# KiCad board Battman.kicad_pcb (continued)
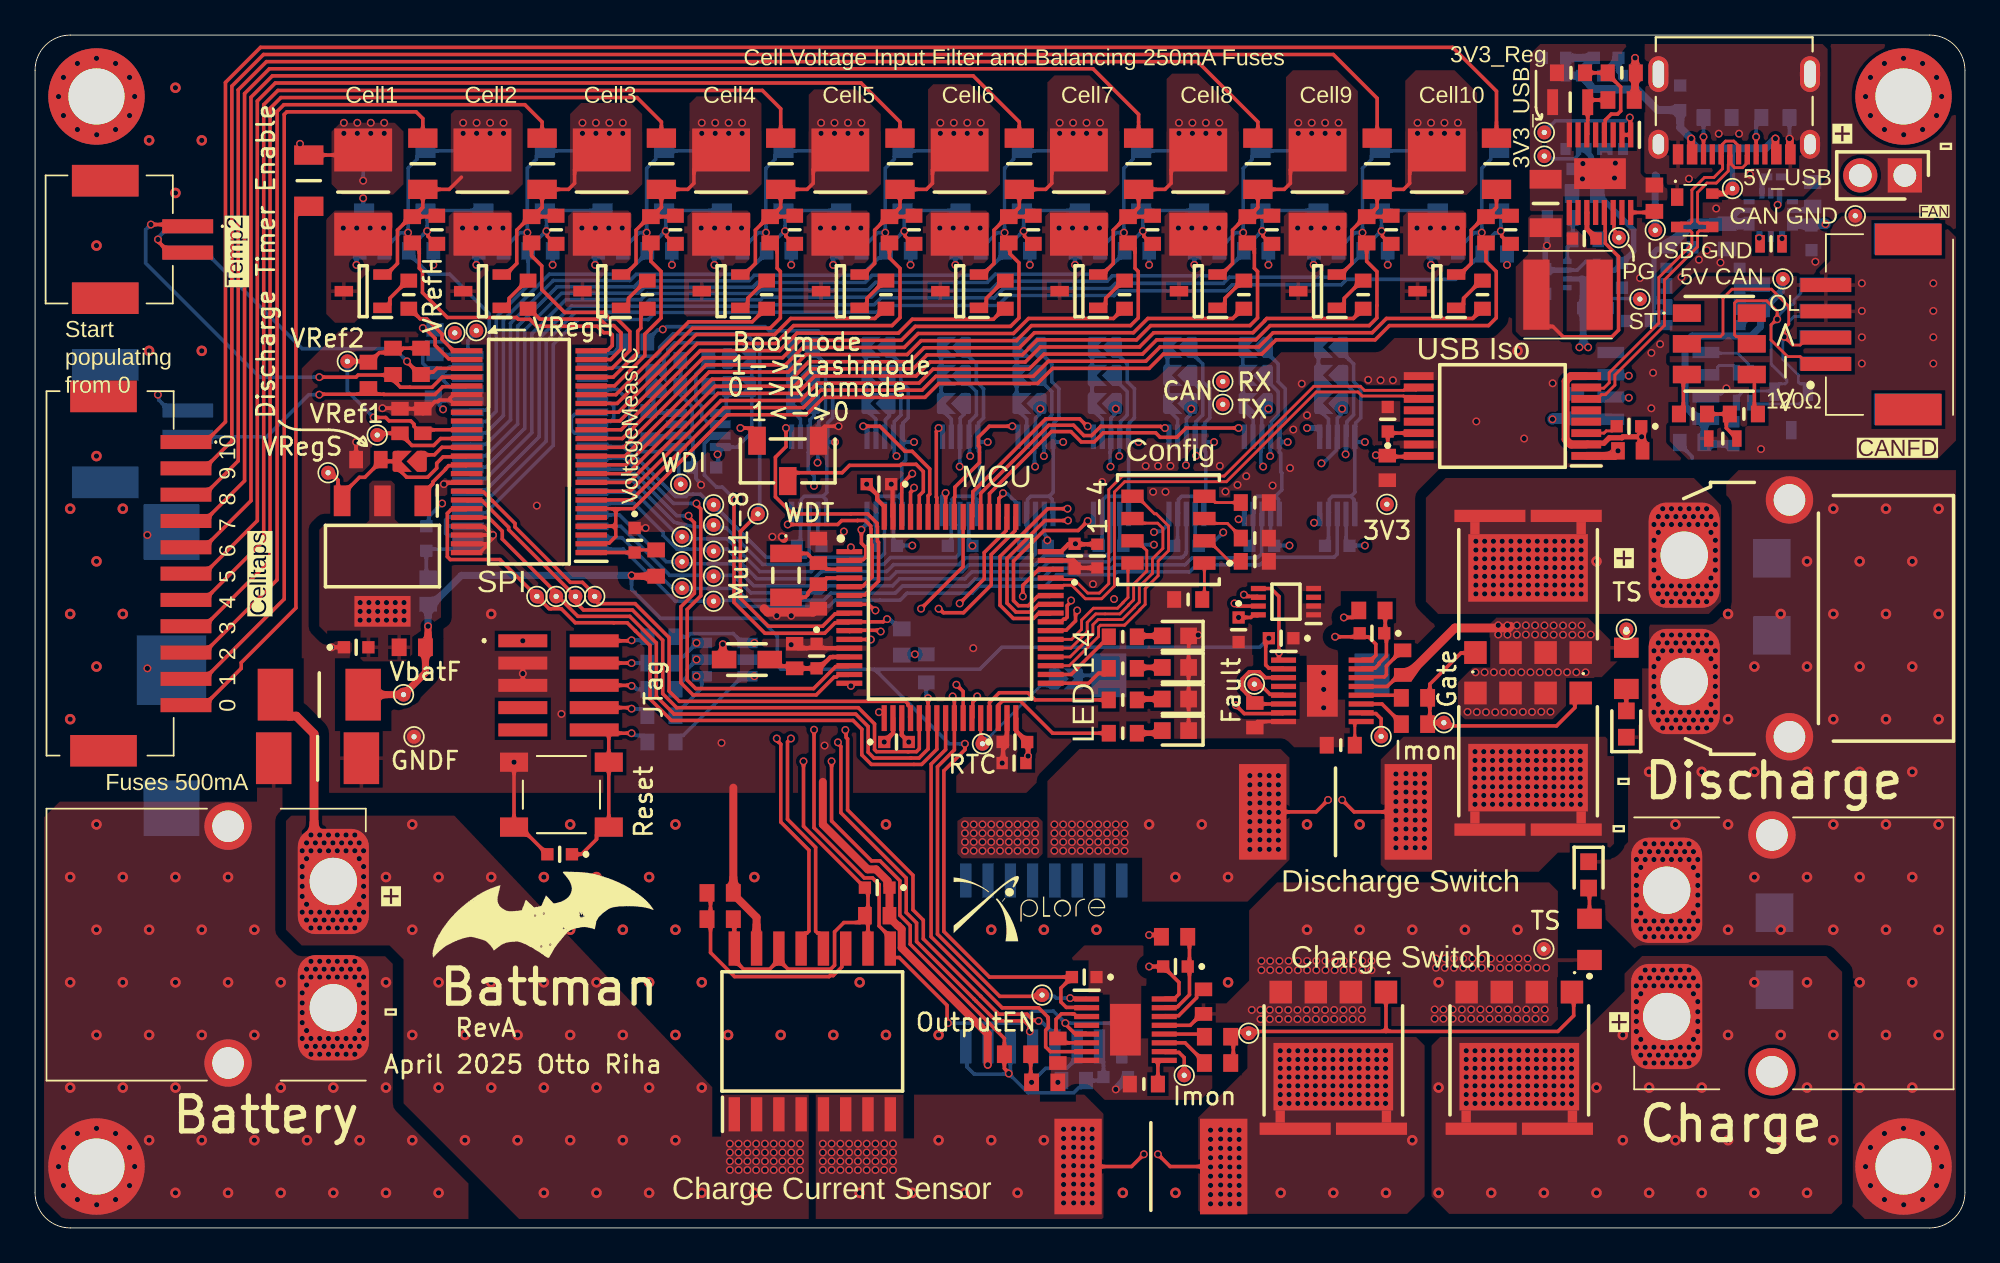
[diagram p0: board, top side]
## Routing (per net, layer and track width the routed paths; a pad name or vN(x,y) marks a point on that pad's centre or on a via; arc(x,y) is an arc through that point) (continued)
shunt-B: length 16.4
  Top Layer w0.203: 78.39,23.75 78.67,23.75 ; v1(74.5,24.4) 75.18,23.72 R805B.2 ; v1(74.6,34.8) 75.01,34.8 75.01,34.8 75.13,34.8 75.45,35.12 R806B.2 ; v1(78.67,23.77) v1(79.19,23.77)
  Mid Layer 2 w0.203: v1(74.6,34.8) 74.6,33.91 74.6,33.91 74.6,33.49 74.5,33.39 74.5,24.4
  vias: v1(77.57,25.87) v1(77.57,25.35) v1(77.57,24.82) v1(77.57,24.3) v1(77.57,23.77) v1(77.57,23.25) v1(77.57,22.72) v1(77.57,22.2) v1(77.57,21.67) v1(78.14,25.9) v1(78.14,25.37) v1(78.14,24.85) v1(78.14,24.32) v1(78.14,23.8) v1(78.14,23.27) v1(78.14,22.75) v1(78.14,22.22) v1(78.14,21.67) v1(78.67,25.87) v1(78.67,25.35) v1(78.67,24.82) v1(78.67,24.3) v1(78.67,23.25) v1(78.67,22.72) v1(78.67,22.2) v1(78.67,21.67) v1(79.19,25.87) v1(79.19,25.35) v1(79.19,24.82) v1(79.19,24.3) v1(79.19,23.25) v1(79.19,22.72) v1(79.19,22.2) v1(79.19,21.67) v1(82.08,27.15) v1(82.08,26.65) v1(82.08,26.15) v1(82.08,25.65) v1(82.08,25.15) v1(82.08,24.65) v1(82.08,24.15) v1(82.58,27.15) v1(82.58,26.65) v1(82.58,26.15) v1(82.58,25.65) v1(82.58,25.15) v1(82.58,24.65) v1(82.58,24.15) v1(83.08,27.15) v1(83.08,26.65) v1(83.08,26.15) v1(83.08,25.65) v1(83.08,25.15) v1(83.08,24.65) v1(83.08,24.15) v1(83.58,27.15) v1(83.58,26.65) v1(83.58,26.15) v1(83.58,25.65) v1(83.58,25.15) v1(83.58,24.65) v1(83.58,24.15) v1(84.08,27.15) v1(84.08,26.65) v1(84.08,26.15) v1(84.08,25.65) v1(84.08,25.15) v1(84.08,24.65) v1(84.08,24.15) v1(84.58,27.15) v1(84.58,26.65) v1(84.58,26.15) v1(84.58,25.65) v1(84.58,25.15) v1(84.58,24.65) v1(84.58,24.15) v1(85.08,27.15) v1(85.08,26.65) v1(85.08,26.15) v1(85.08,25.65) v1(85.08,25.15) v1(85.08,24.65) v1(85.08,24.15) v1(85.58,27.15) v1(85.58,26.65) v1(85.58,26.15) v1(85.58,25.65) v1(85.58,25.15) v1(85.58,24.65) v1(85.58,24.15) v1(86.08,27.15) v1(86.08,26.65) v1(86.08,26.15) v1(86.08,25.65) v1(86.08,25.15) v1(86.08,24.65) v1(86.08,24.15) v1(86.58,27.15) v1(86.58,26.65) v1(86.58,26.15) v1(86.58,25.65) v1(86.58,25.15) v1(86.58,24.65) v1(86.58,24.15) v1(87.08,27.15) v1(87.08,26.65) v1(87.08,26.15) v1(87.08,25.65) v1(87.08,25.15) v1(87.08,24.65) v1(87.08,24.15) v1(87.58,27.15) v1(87.58,26.65) v1(87.58,26.15) v1(87.58,25.65) v1(87.58,25.15) v1(87.58,24.65) v1(87.58,24.15) v1(88.08,27.15) v1(88.08,26.65) v1(88.08,26.15) v1(88.08,25.65) v1(88.08,25.15) v1(88.08,24.65) v1(88.08,24.15)
Temp1: length 18.9
  Top Layer w0.203: IC600.27 22.9,49 22.69,48.79 22.14,48.79 R603.2 21.93,48.65 21.2,49.38 v1(21.2,49.4)
  Bottom Layer w0.203: J3.1 9.75,55.6 15.23,50.12 20.48,50.12 v1(21.2,49.4)
Temp2: length 26
  Top Layer w0.203: v1(16.2,48.5) 18.29,48.5 18.41,48.62 20.13,48.62 20.23,48.52 ; J5.1 8.6,57.2 v1(6.6,57.2) ; IC600.28 23.21,48.5 22.63,47.92 21.37,47.92 21.37,47.93 20.82,47.93 20.25,48.5
  Bottom Layer w0.203: v1(6.6,57.2) 6.3,56.9 6.3,55 12.8,48.5 v1(16.2,48.5)
Temp3: length 17.4
  Top Layer w0.203: v1(16.2,47.5) 16.23,47.53 18.68,47.53 R601.2 19.32,47.53 19.87,47.53 19.88,47.51 22.79,47.51 23.24,47.95 24.55,47.95 IC600.29
  Bottom Layer w0.203: v1(16.2,47.5) 15.6,47.5 13.2,45.1 J6.1
TSA: length 2.4
  Top Layer w0.203: 66.5,12.2 65.85,11.55 IC801A.13
  vias: v1(69.35,12.43) v1(69.9,15.22) v1(69.9,14.69) v1(69.85,12.43) v1(69.85,11.9) v1(70.4,15.22) v1(70.4,14.69) v1(70.38,12.43) v1(70.38,11.9) v1(70.93,15.22) v1(70.93,14.69) v1(70.9,12.43) v1(70.9,11.9) v1(71.43,12.43) v1(71.43,11.9) v1(71.45,15.22) v1(71.45,14.69) v1(71.98,15.22) v1(71.98,14.69) v1(71.96,12.43) v1(71.96,11.9) v1(72.51,15.22) v1(72.51,14.69) v1(72.48,12.43) v1(72.48,11.9) v1(73.03,15.22) v1(73.03,14.69) v1(73,12.43) v1(73,11.9) v1(73.53,12.43) v1(73.53,11.9) v1(73.55,15.22) v1(73.55,14.69) v1(74.08,15.22) v1(74.08,14.69) v1(74.05,12.43) v1(74.05,11.9) v1(74.6,15.22) v1(74.6,14.69) v1(74.58,12.43) v1(74.58,11.9) v1(75.13,15.22) v1(75.13,14.69) v1(75.1,12.43) v1(75.1,11.9) v1(75.63,12.43) v1(75.63,11.9) v1(75.65,15.22) v1(75.65,14.69) v1(76.18,15.22) v1(76.18,14.69) v1(79.77,12.45) v1(79.78,11.92) v1(79.85,15.35) v1(79.85,14.83) v1(80.28,12.45) v1(80.28,11.92) v1(80.35,15.35) v1(80.35,14.83) v1(80.8,12.45) v1(80.8,11.92) v1(80.88,15.35) v1(80.88,14.83) v1(81.33,12.45) v1(81.33,11.92) v1(81.4,15.35) v1(81.4,14.83) v1(81.93,15.35) v1(81.93,14.83) v1(81.85,12.45) v1(81.85,11.92) v1(82.38,12.45) v1(82.38,11.92) v1(82.46,15.35) v1(82.46,14.83) v1(82.9,12.45) v1(82.9,11.92) v1(82.98,15.35) v1(82.98,14.83) v1(83.43,12.45) v1(83.43,11.92) v1(83.5,15.35) v1(83.5,14.83) v1(84.03,15.35) v1(84.03,14.83) v1(83.95,12.45) v1(83.95,11.92) v1(84.48,12.45) v1(84.48,11.92) v1(84.55,15.35) v1(84.55,14.83) v1(85,12.45) v1(85,11.92) v1(85.08,15.35) v1(85.08,14.83) v1(85.52,12.45) v1(85.53,11.92) v1(85.6,14.83) v1(86.13,14.83) v1(86.05,12.45) v1(86.05,11.92) v2(72.5,17) v2(75.5,17) v2(78.5,17) v2(80,14) v2(81.5,17) v2(84.5,17)
TSB: length 10.9
  Top Layer w0.203: 90.7,32.7 90.7,33.8 ; 77.72,31.52 77.07,30.87 IC801B.13
  Top Layer w0.5: 84.1,34.3 84,34.2 80.93,34.2 78.39,31.66 78.09,31.66 C802B.2 ; 77.82,31.52 77.93,31.52
  vias: v1(81.65,29.42) v1(82.1,31.67) v1(82.18,29.41) v1(82.62,31.67) v1(82.7,29.4) v1(83.15,31.67) v1(83.23,29.4) v1(83.4,34.35) v1(83.4,33.83) v1(83.67,31.67) v1(83.75,29.4) v1(83.93,34.35) v1(83.92,33.82) v1(84.19,31.67) v1(84.27,29.41) v1(84.46,34.35) v1(84.46,33.82) v1(84.71,31.67) v1(84.8,29.41) v1(84.98,34.35) v1(84.97,33.82) v1(85.23,31.67) v1(85.33,29.41) v1(85.5,34.35) v1(85.5,33.82) v1(85.77,31.67) v1(85.85,29.42) v1(86.03,34.35) v1(86.03,33.82) v1(86.29,31.67) v1(86.38,29.42) v1(86.56,34.34) v1(86.56,33.82) v1(86.8,31.67) v1(87.09,34.34) v1(87.09,33.81) v1(87.32,31.67) v1(87.63,34.34) v1(87.63,33.81) v1(87.85,31.67) v1(88.15,34.35) v1(88.15,33.82) v1(88.38,31.67) v1(88.68,33.82)
USB_D_N: length 21.6
  Top Layer w0.163: IC403.6 89.04,47.26 89.28,47.5 89.51,47.5 90.05,48.05 90.05,48.62 92.88,51.45 92.88,54.05 94.76,55.93 94.76,56.75 94.86,56.84 95.38,56.84 D401.3 95.38,57.28 94.86,57.28 94.76,57.38 94.76,59.03 95.29,59.56 95.83,59.56 96.51,60.25 96.51,60.61 96.53,60.63 96.53,61.13 J10.A7 96.67,61.13 96.67,60.65 96.87,60.44 97.33,60.44 97.53,60.65 97.53,61.13 J10.B7
USB_D_P: length 21
  Top Layer w0.163: J10.A6 97.03,61.27 97.03,61.75 96.83,61.96 96.36,61.96 96.17,61.77 96.17,61.27 J10.B6 96.17,61.13 96.17,60.63 96.19,60.61 96.19,60.38 95.69,59.89 95.16,59.89 94.44,59.16 94.44,57.38 94.34,57.28 93.82,57.28 D401.2 93.82,56.84 94.34,56.84 94.44,56.75 94.44,56.06 92.55,54.18 92.55,51.58 89.73,48.75 89.73,48.18 89.42,47.87 88.46,47.87 IC403.7
USB_GND: length 32.7
  Top Layer w0.203: 100.03,61.22 J10.A1_B12 99.85,61 ; v1(100,62.1) 100.03,62.07 ; 93.63,61.22 J10.B1_A12
  Top Layer w0.3: IC403.2 88.49,44.74 89.42,44.74 89.73,45.04 90.45,45.04 90.51,45.1 v1(91.58,45.1)
  Top Layer w0.45: IC403.8 87.53,48.56 87.24,48.27 87.24,44.95 87.53,44.66 IC403.2 ; C412.2 91.59,44.34 91.59,45.66 C409.1 ; 100.03,61.22 100.03,62.07
  Mid Layer 2 w0.45: TP406.1 90.62,55.15 90.62,50.25 91.58,49.3 91.58,47.06 91.5,46.98 91.5,45.17 v1(91.58,45.1)
  Bottom Layer w0.203: 99.9,63.3 100,63.2 v1(100,62.1)
  Bottom Layer w0.3: 92.34,65.96 J10.SH4 ; PS400.1 90.25,65.95 C401.2 89.62,66.08 89.62,65.83 PS400.2_3
  Bottom Layer w0.4: 92.43,59.75 92.43,59.95 ; 92.43,59.95 92.35,60.02 ; 92.43,59.95 92.35,59.87 TP406.1
  Bottom Layer w0.45: 92.53,61.34 J10.SH2
  vias: v1(94.27,59.81) v1(95.97,62.38) v1(97.13,62.38) v1(97.75,60.05)
USB_ISO_N: length 29.5
  Top Layer w0.163: IC403.11 78.72,47.4 78.02,47.4 78,47.42 75.64,47.42 75.41,47.66 73.02,47.66 67.91,42.54 62.11,42.54 61.52,41.95 61.52,36.6 60.79,35.87 59.86,35.87 59.09,36.64 58.64,36.64 58.62,36.62 57.96,36.62 IC700.44
USB_ISO_P: length 29.5
  Top Layer w0.163: IC700.45 57.96,36.98 58.62,36.98 58.64,36.96 59.23,36.96 60,36.19 60.66,36.19 61.2,36.73 61.2,42.09 61.97,42.86 67.77,42.86 72.89,47.98 75.54,47.98 75.77,47.75 78,47.75 78.02,47.77 78.72,47.77 IC403.10
V_Bat: length 14.5
  Top Layer w0.5: 16.73,21.4 16.45,21.67 ; 16.23,20.53 v1(16.23,21.5) v1(16.23,22.4) ; 16.23,20.53 15.9,20.85 15.9,28.17 14.89,29.17 14.46,29.17 13.7,29.93 F1.1 ; 16.23,20.53 J1.2
  vias: v1(15.23,21.5) v1(15.23,20.6) v1(15.23,20.03) v1(15.23,19.47) v1(15.23,18.9) v1(15.23,18) v1(15.48,21.95) v1(15.48,21.05) v1(15.48,18.45) v1(15.48,17.55) v1(15.73,22.4) v1(15.73,21.5) v1(15.73,18) v1(15.73,17.1) v1(15.98,21.95) v1(15.98,17.55) v1(16.23,18) v1(16.23,17.1) v1(16.48,21.95) v1(16.48,17.55) v1(16.73,22.4) v1(16.73,21.5) v1(16.73,18) v1(16.73,17.1) v1(16.98,21.95) v1(16.98,17.55) v1(17.23,22.4) v1(17.23,21.5) v1(17.23,18) v1(17.23,17.1) v1(17.48,21.95) v1(17.48,17.55) v1(17.73,22.4) v1(17.73,21.5) v1(17.73,18) v1(17.73,17.1) v1(17.98,21.95) v1(17.98,17.55) v1(18.23,22.4) v1(18.23,21.5) v1(18.23,18) v1(18.23,17.1) v1(18.48,21.95) v1(18.48,21.05) v1(18.48,18.45) v1(18.48,17.55) v1(18.73,21.5) v1(18.73,20.6) v1(18.73,20.03) v1(18.73,19.47) v1(18.73,18.9) v1(18.73,18) v1(39.6,4.8) v1(39.6,4.3) v1(39.6,3.8) v1(39.6,3.3) v1(40.1,4.8) v1(40.1,4.3) v1(40.1,3.8) v1(40.1,3.3) v1(40.6,4.8) v1(40.6,4.3) v1(40.6,3.8) v1(40.6,3.3) v1(41.1,4.8) v1(41.1,4.3) v1(41.1,3.8) v1(41.1,3.3) v1(41.6,4.8) v1(41.6,4.3) v1(41.6,3.8) v1(41.6,3.3) v1(42.1,4.8) v1(42.1,4.3) v1(42.1,3.8) v1(42.1,3.3) v1(42.6,4.8) v1(42.6,4.3) v1(42.6,3.8) v1(42.6,3.3) v1(43.1,4.8) v1(43.1,4.3) v1(43.1,3.8) v1(43.1,3.3) v1(43.6,4.8) v1(43.6,4.3) v1(43.6,3.8) v1(43.6,3.3) v1(53,23) v1(53,22.5) v1(53,22) v1(53,21.5) v1(53.5,23) v1(53.5,22.5) v1(53.5,22) v1(53.5,21.5) v1(54,23) v1(54,22.5) v1(54,22) v1(54,21.5) v1(54.5,23) v1(54.5,22.5) v1(54.5,22) v1(54.5,21.5) v1(55,23) v1(55,22.5) v1(55,22) v1(55,21.5) v1(55.5,23) v1(55.5,22.5) v1(55.5,22) v1(55.5,21.5) v1(56,23) v1(56,22.5) v1(56,22) v1(56,21.5) v1(56.5,23) v1(56.5,22.5) v1(56.5,22) v1(56.5,21.5) v1(57,23) v1(57,22.5) v1(57,22) v1(57,21.5) v2(20,20) v2(21.5,23) v2(21.5,17) v2(21.5,11) v2(23,20) v2(23,14) v2(23,8) v2(24.5,17) v2(24.5,11) v2(24.5,5) v2(26,20) v2(26,14) v2(26,8) v2(27.5,17) v2(27.5,11) v2(27.5,5) v2(29,20) v2(29,14) v2(29,8) v2(29,2) v2(30.5,23) v2(30.5,17) v2(30.5,11) v2(30.5,5) v2(32,20) v2(32,14) v2(32,8) v2(32,2) v2(33.5,17) v2(33.5,11) v2(33.5,5) v2(35,20) v2(35,8) v2(35,2) v2(36.5,23) v2(36.5,17) v2(36.5,5) v2(38,8) v2(38,2) v2(41,20) v2(41,2) v2(48.5,23)
V_Bat_Fused: length 175.1
  Top Layer w0.203: IC801A.2 59.92,12.57 58.78,12.57 58.47,12.88 58.47,13.67 C803A.2 54.4,14.3 51.8,16.9 51.8,26.06 53,27.26 v1(53,27.6) ; IC801B.2 71.12,31.91 70.32,31.91 70.15,32.09 70.15,33.44 v1(70.32,33.62)
  Top Layer w0.4: F1.2 TP1.1 22.25,31.65 R600.1 ; v1(91.2,66.7) 91.21,66.69 91.21,65.88 R402.2 91.2,65.81 91.2,64.35 R404.2 ; 35.48,37.15 R604.1 34,37.15 ; 22.4,33.25 v1(22.4,34.3)
  Mid Layer 2 w0.4: v1(91.2,66.7) 91.1,66.8 90,66.8 89.13,65.92 89.13,56.1 83.45,50.42 42.53,50.42 34,41.9 v1(34,37.2)
  Bottom Layer w0.203: v1(53,27.6) 52.1,27.6 47.85,31.85 ; 47.85,31.85 42.52,31.85 42.31,32.06 42.31,33.74 41.3,34.75 35.65,34.75 34,36.4 v1(34,37.2) ; 47.85,31.85 53.85,31.85 55.1,33.1 69.81,33.1 v1(70.32,33.62)
  Bottom Layer w0.4: v1(22.4,34.3) 22.4,35.3 24.3,37.2 v1(34,37.2)
V_BattLDO: length 0.3
  Top Layer w0.203: 19.8,35.1 20,35.3
  vias: v1(18.53,35.65) v1(18.53,35.15) v1(18.53,34.65) v1(19.03,35.65) v1(19.03,35.15) v1(19.03,34.65) v1(19.53,35.65) v1(19.53,35.15) v1(19.53,34.65) v1(20.03,35.65) v1(20.03,35.15) v1(20.03,34.65) v1(20.53,35.65) v1(20.53,35.15) v1(20.53,34.65) v1(21.03,35.65) v1(21.03,35.15) v1(21.03,34.65)
V_BattLTC: length 3.8
  Top Layer w0.16: R604.2 34.05,38.65 33.9,38.5
  Top Layer w0.203: IC600.1 32.2,38.5 ; 32.2,38.5 32.25,38.45 ; 32.2,38.5 33.9,38.5
VOCA: length 12.9
  Top Layer w0.203: 38.5,19.15 38.5,15.7 39.87,14.33 45.26,14.33 45.32,14.39 45.49,14.39 45.98,14.87 45.98,15.7 46.26,15.97
VOCB: length 5.5
  Top Layer w0.203: R801B.1 56.75,8.35 v1(56.8,8.3)
  Bottom Layer w0.203: v1(56.8,8.3) 57.6,9.1 58.8,9.1 59.4,9.7 IC800B.11
Vref2: length 14.1
  Top Layer w0.203: R601.1 18.95,49.4 TP602.1 ; IC600.34 22.3,45.5 C601.1 22,45.3 21.6,45.7 21.6,45.82 21.41,46.01 20.18,46.01 19.98,46.2 v1(19.3,46.2) ; R603.1 20.98,50.15 20.73,49.9 19.63,49.9 19.08,49.35
  Bottom Layer w0.203: v1(19.3,46.2) 17.8,47.7 TP602.1
VrefH: length 104.7
  Mid Layer 3 w0.4: 70.38,44.02 70.38,44.01 70.36,44.01 70.35,44.02 67.8,44.02 67.78,44.04 67.28,44.04 67.26,44.02 v1(66.18,44.02) ; v1(70.4,44) 72.36,44 72.55,44.19 74.6,44.19 74.69,44.1 v1(74.7,44.1) ; 66.16,44.01 66.16,44.03 66.11,44.07 61.7,44.07 61.63,44 v1(57.5,44) v1(53.3,44) v1(49.1,44) 45.63,44 45.26,43.63 44.61,43.63 ; 24,51 31.5,43.5 44.46,43.5 44.58,43.62 44.59,43.62 ; 66.18,44 66.19,44.01
  Mid Layer 4 w0.4: 66.15,44 66.17,44.02
  Bottom Layer w0.203: v1(74.7,44.1) 74.71,44.11 74.71,45.09 74.77,45.15 74.77,45.96 75.15,46.35 75.15,47.67 74.75,48.08 74.75,48.09 74.6,48.24 JS501A.1 ; v1(66.18,44.02) 66.15,44.05 66.15,45.07 IC500C.4 66.17,45.15 66.17,45.96 66.55,46.35 66.55,47.67 66.15,48.08 66.15,48.09 66,48.24 JS501C.1 ; 23.1,48.8 23.28,48.62 ; 23.28,48.62 22.88,48.62 22.7,48.8 ; 23.28,48.62 23.33,48.57 24.55,48.57 IC300.16 ; 23.28,48.62 23.28,48.3 23.66,47.92 23.88,47.92 23.88,47.92 24.55,47.92 IC300.15 ; v1(57.5,44) 57.51,44.01 57.51,45.09 IC500E.4 57.57,45.15 57.57,45.96 57.95,46.35 57.95,47.67 57.55,48.08 57.55,48.09 57.4,48.24 JS501E.1 ; 24,51 24,50.98 23.52,50.51 22.29,50.51 22.1,50.32 22.1,49.28 22.31,49.08 22.31,49.06 22.6,48.77 22.7,48.77 ; v1(61.8,44) 61.81,44.01 61.81,45.09 IC500D.4 61.87,45.15 61.87,45.96 62.25,46.35 62.25,47.67 61.85,48.08 61.85,48.09 61.7,48.24 JS501D.1 ; v1(44.6,43.62) 44.61,43.64 44.61,45.09 44.67,45.15 44.67,45.96 45.05,46.35 45.05,47.67 44.65,48.08 44.65,48.09 44.5,48.24 JS501H.1 ; JS501G.1 48.8,48.24 48.95,48.09 48.95,48.08 49.35,47.67 49.35,46.35 48.97,45.96 48.97,45.15 IC500G.4 48.97,45.05 48.97,44.19 49.1,44.07 v1(49.1,44) ; v1(70.4,44) 70.41,44.01 70.41,45.09 IC500B.4 70.47,45.15 70.47,45.96 70.85,46.35 70.85,47.67 70.45,48.08 70.45,48.09 70.3,48.24 JS501B.1 ; v1(53.3,44) 53.26,44.04 53.26,45.06 IC500F.4 53.27,45.15 53.27,45.96 53.65,46.35 53.65,47.67 53.25,48.08 53.25,48.09 53.1,48.24 JS501F.1 ; IC300.17 24.64,49.06 23.59,49.06 23.38,48.85 23.1,48.85
VregA: length 191.3
  Mid Layer 3 w0.203: 38.8,44.8 38.9,44.7 38.9,44.1 v1(38.9,44.1)
  Mid Layer 3 w0.4: 25.1,51 31.3,44.8 v1(45.6,44.8) v1(50.1,44.8) v1(54.3,44.8) v1(58.6,44.8) v1(62.9,44.8) v1(67.2,44.8) v1(71.4,44.8) v1(75.8,44.8)
  Bottom Layer w0.203: 44.9,41.7 45.13,41.93 45.13,44.84 ; 44.9,41.7 45.08,41.53 45.08,40.75 IC500H.6 ; 44.9,41.7 43.85,41.7 43.67,41.53 43.67,40.75 IC500H.9 43.63,39.08 C500H.2 ; 75.23,44.84 75.27,44.8 v1(75.8,44.8) ; 75.23,44.84 75.23,41.93 75,41.7 ; 75.23,44.84 75.23,44.85 75.23,45.65 75.27,45.7 75.27,45.89 75.56,46.18 75.56,47.84 75.15,48.25 75.15,49.25 74.9,49.5 74.9,49.5 74.73,49.67 74.73,50.07 JS500A.1 ; v1(62.9,44.8) 62.37,44.8 62.33,44.85 IC500D.5 ; 58.03,44.84 58.03,44.85 IC500E.5 58.07,45.15 58.07,45.89 58.36,46.18 58.36,47.84 57.95,48.25 57.95,49.25 57.7,49.5 57.7,49.5 57.53,49.67 57.53,50.07 JS500E.1 ; 58.03,44.84 58.03,44.85 ; 58.03,44.84 58.03,41.93 57.8,41.7 ; 58.03,44.84 58.07,44.8 v1(58.6,44.8) ; 22.72,49.98 22.9,49.8 ; 70.93,44.84 70.97,44.8 v1(71.4,44.8) ; 45.13,44.84 45.13,44.85 IC500H.5 45.17,45.15 45.17,45.89 45.46,46.18 45.46,47.84 45.05,48.25 45.05,49.25 44.8,49.5 44.8,49.5 44.63,49.67 44.63,50.07 JS500H.1 ; 45.13,44.84 45.13,44.85 ; 45.13,44.84 45.17,44.8 v1(45.6,44.8) ; 49.2,41.7 49.38,41.53 49.38,40.75 IC500G.6 ; 49.2,41.7 48.15,41.7 47.97,41.53 47.97,40.75 IC500G.9 47.93,39.08 C500G.2 ; 49.2,41.7 49.4,41.9 49.4,43.55 49.63,43.78 49.63,44.35 49.47,44.5 49.47,44.8 ; 70.7,41.7 70.88,41.53 70.88,40.75 IC500B.6 ; 70.7,41.7 71.07,42.07 71.07,43.03 71,43.1 71,44.15 70.93,44.22 IC500B.5 70.97,45.15 70.97,45.89 71.26,46.18 71.26,47.84 70.85,48.25 70.85,49.25 70.6,49.5 70.6,49.5 70.43,49.67 70.43,50.07 JS500B.1 ; 70.7,41.7 69.65,41.7 69.47,41.53 69.47,40.75 IC500B.9 69.43,39.08 C500B.2 ; 66.4,41.7 66.58,41.53 66.58,40.75 IC500C.6 ; 66.4,41.7 66.73,42.03 66.73,44.22 66.67,44.28 66.67,44.8 ; 66.4,41.7 65.35,41.7 65.17,41.53 65.17,40.75 IC500C.9 65.13,39.08 C500C.2 ; 62.1,41.7 62.33,41.93 62.33,44.8 ; 62.1,41.7 62.28,41.53 62.28,40.75 IC500D.6 ; 62.1,41.7 61.05,41.7 60.87,41.53 60.87,40.75 IC500D.9 60.83,39.08 C500D.2 ; C500F.2 52.23,39.08 IC500F.9 52.27,40.75 52.27,41.52 52.45,41.7 53.5,41.7 ; 57.8,41.7 56.75,41.7 56.57,41.53 56.57,40.75 IC500E.9 56.53,39.08 C500E.2 ; 57.8,41.7 57.98,41.53 57.98,40.75 IC500E.6 ; 66.67,44.8 66.67,44.85 ; 66.67,44.8 v1(67.2,44.8) ; 66.67,44.8 66.63,44.85 IC500C.5 66.67,45.15 66.67,45.89 66.96,46.18 66.96,47.84 66.55,48.25 66.55,49.25 66.3,49.5 66.3,49.5 66.13,49.67 66.13,50.07 JS500C.1 ; 22.84,49.85 22.9,49.79 24.64,49.79 IC300.18 24.68,50.57 25.1,51 ; 75,41.7 75.18,41.53 75.18,40.75 IC500A.6 ; 75,41.7 73.95,41.7 73.77,41.53 73.77,40.75 IC500A.9 73.73,39.08 C500A.2 ; 53.5,41.7 53.68,41.53 53.68,40.75 IC500F.6 ; 53.5,41.7 53.83,42.03 53.83,44.22 53.77,44.28 53.77,44.8 ; JS500G.1 48.93,50.07 48.93,49.67 49.1,49.5 49.1,49.5 49.35,49.25 49.35,48.25 49.76,47.84 49.76,46.18 49.47,45.89 49.47,45.15 IC500G.5 49.43,44.85 49.47,44.8 ; JS500F.1 53.23,50.07 53.23,49.67 53.4,49.5 53.4,49.5 53.65,49.25 53.65,48.25 54.06,47.84 54.06,46.18 53.77,45.89 53.77,45.15 IC500F.5 53.73,44.85 53.77,44.8 ; 62.37,45.15 62.37,45.89 62.66,46.18 62.66,47.84 62.25,48.25 62.25,49.25 62,49.5 62,49.5 61.83,49.67 61.83,50.07 JS500D.1 ; v1(38.9,44.1) 38.94,44.06 38.94,43.24 38.98,43.2 ; 49.47,44.8 v1(50.1,44.8) ; 53.77,44.8 v1(54.3,44.8) ; JS300.2 35.71,49.01 35.86,49.16 35.86,49.56 36.07,49.78 36.07,50.06 36.47,50.46 40.3,50.46 40.85,49.91 JS302.2 JS301.2 40.85,45.35 40.01,44.51 IC301.8 39.05,44.1
WDI: length 10
  Bottom Layer w0.203: 36.6,44.39 35.71,44.39 35.58,44.25 34.37,44.25 33.9,44.73 33.9,47.08 33.19,47.8 31.78,47.8 ; 36.7,44.39 36.7,42.5 TP311.1 ; 36.57,44.51 36.64,44.44 36.56,44.51 IC301.1 36.57,44.51
X1: length 4
  Top Layer w0.203: Y700.1 44,38.45 44.12,38.33 44.12,38.32 44.55,37.9 C714.1 44.76,37.9 45.1,37.55 IC700.3
X2: length 4.1
  Top Layer w0.203: IC700.4 45.11,37.05 44.76,36.7 C715.1 44.55,36.7 44.04,36.2 44.04,36.09 43.9,35.95 Y700.2
~{Fault}: length 93.1
  Top Layer w0.203: TP312.1 69.53,30.97 69.85,30.97 70.4,30.42 71.11,30.42 IC801B.5 ; IC801A.5 59.89,11.1 59.24,11.1 58.73,11.62 v1(58.73,11.67) ; v1(48.56,34.71) 48.5,34.71 48.34,34.55 IC700.9 46.36,34.5 45.61,34.5 45,33.9 41.6,33.9 39.84,35.66 39.84,41.44 v1(39.9,41.5) ; v1(68.9,36.1) 68.93,36.1 69.04,36 69.68,36 IC900.6 ; v1(52.03,11.67) 51.98,11.72 51.98,12.69 49.26,15.41 48.97,15.41 48.75,15.64 IC800A.9 48.75,16.57 48.11,17.21 48.11,19.58 47.73,19.95 47.26,19.95 44.4,22.81 v1(44.4,28.4)
  Mid Layer 2 w0.203: v1(44.4,28.4) 44.4,29.51 46.29,31.4 47.1,31.4 49,33.3 49,34.2 ; TP312.1 69.5,35.5 v1(68.9,36.1) 68.5,36.5 63.1,36.5 60.9,34.3 48.97,34.3 v1(48.56,34.71)
  Bottom Layer w0.203: v1(52.03,11.67) 56.17,11.67 56.86,12.36 58.04,12.36 v1(58.73,11.67) 61.27,11.67 61.94,11 IC800B.9 ; IC301.7 38.93,45.04 38.47,45.04 38.15,44.72 38.15,42.92 38.83,42.23 39.17,42.23 v1(39.9,41.5) ; v1(48.56,34.71) 48.61,34.66 48.75,34.66 48.94,34.47 49.08,34.47 R900.2